# Altium PCB [01]-Robot.PcbDoc (part 1 of 2)
Units mm, origin at the board's own origin, x right, y up, seen from the top; angles counter-clockwise.
Board outline 107 x 100 mm, 2 copper layers (Top Layer, Bottom Layer), stack 1.57 mm thick; 156 components, 123 nets, 574 pads, 292 vias.
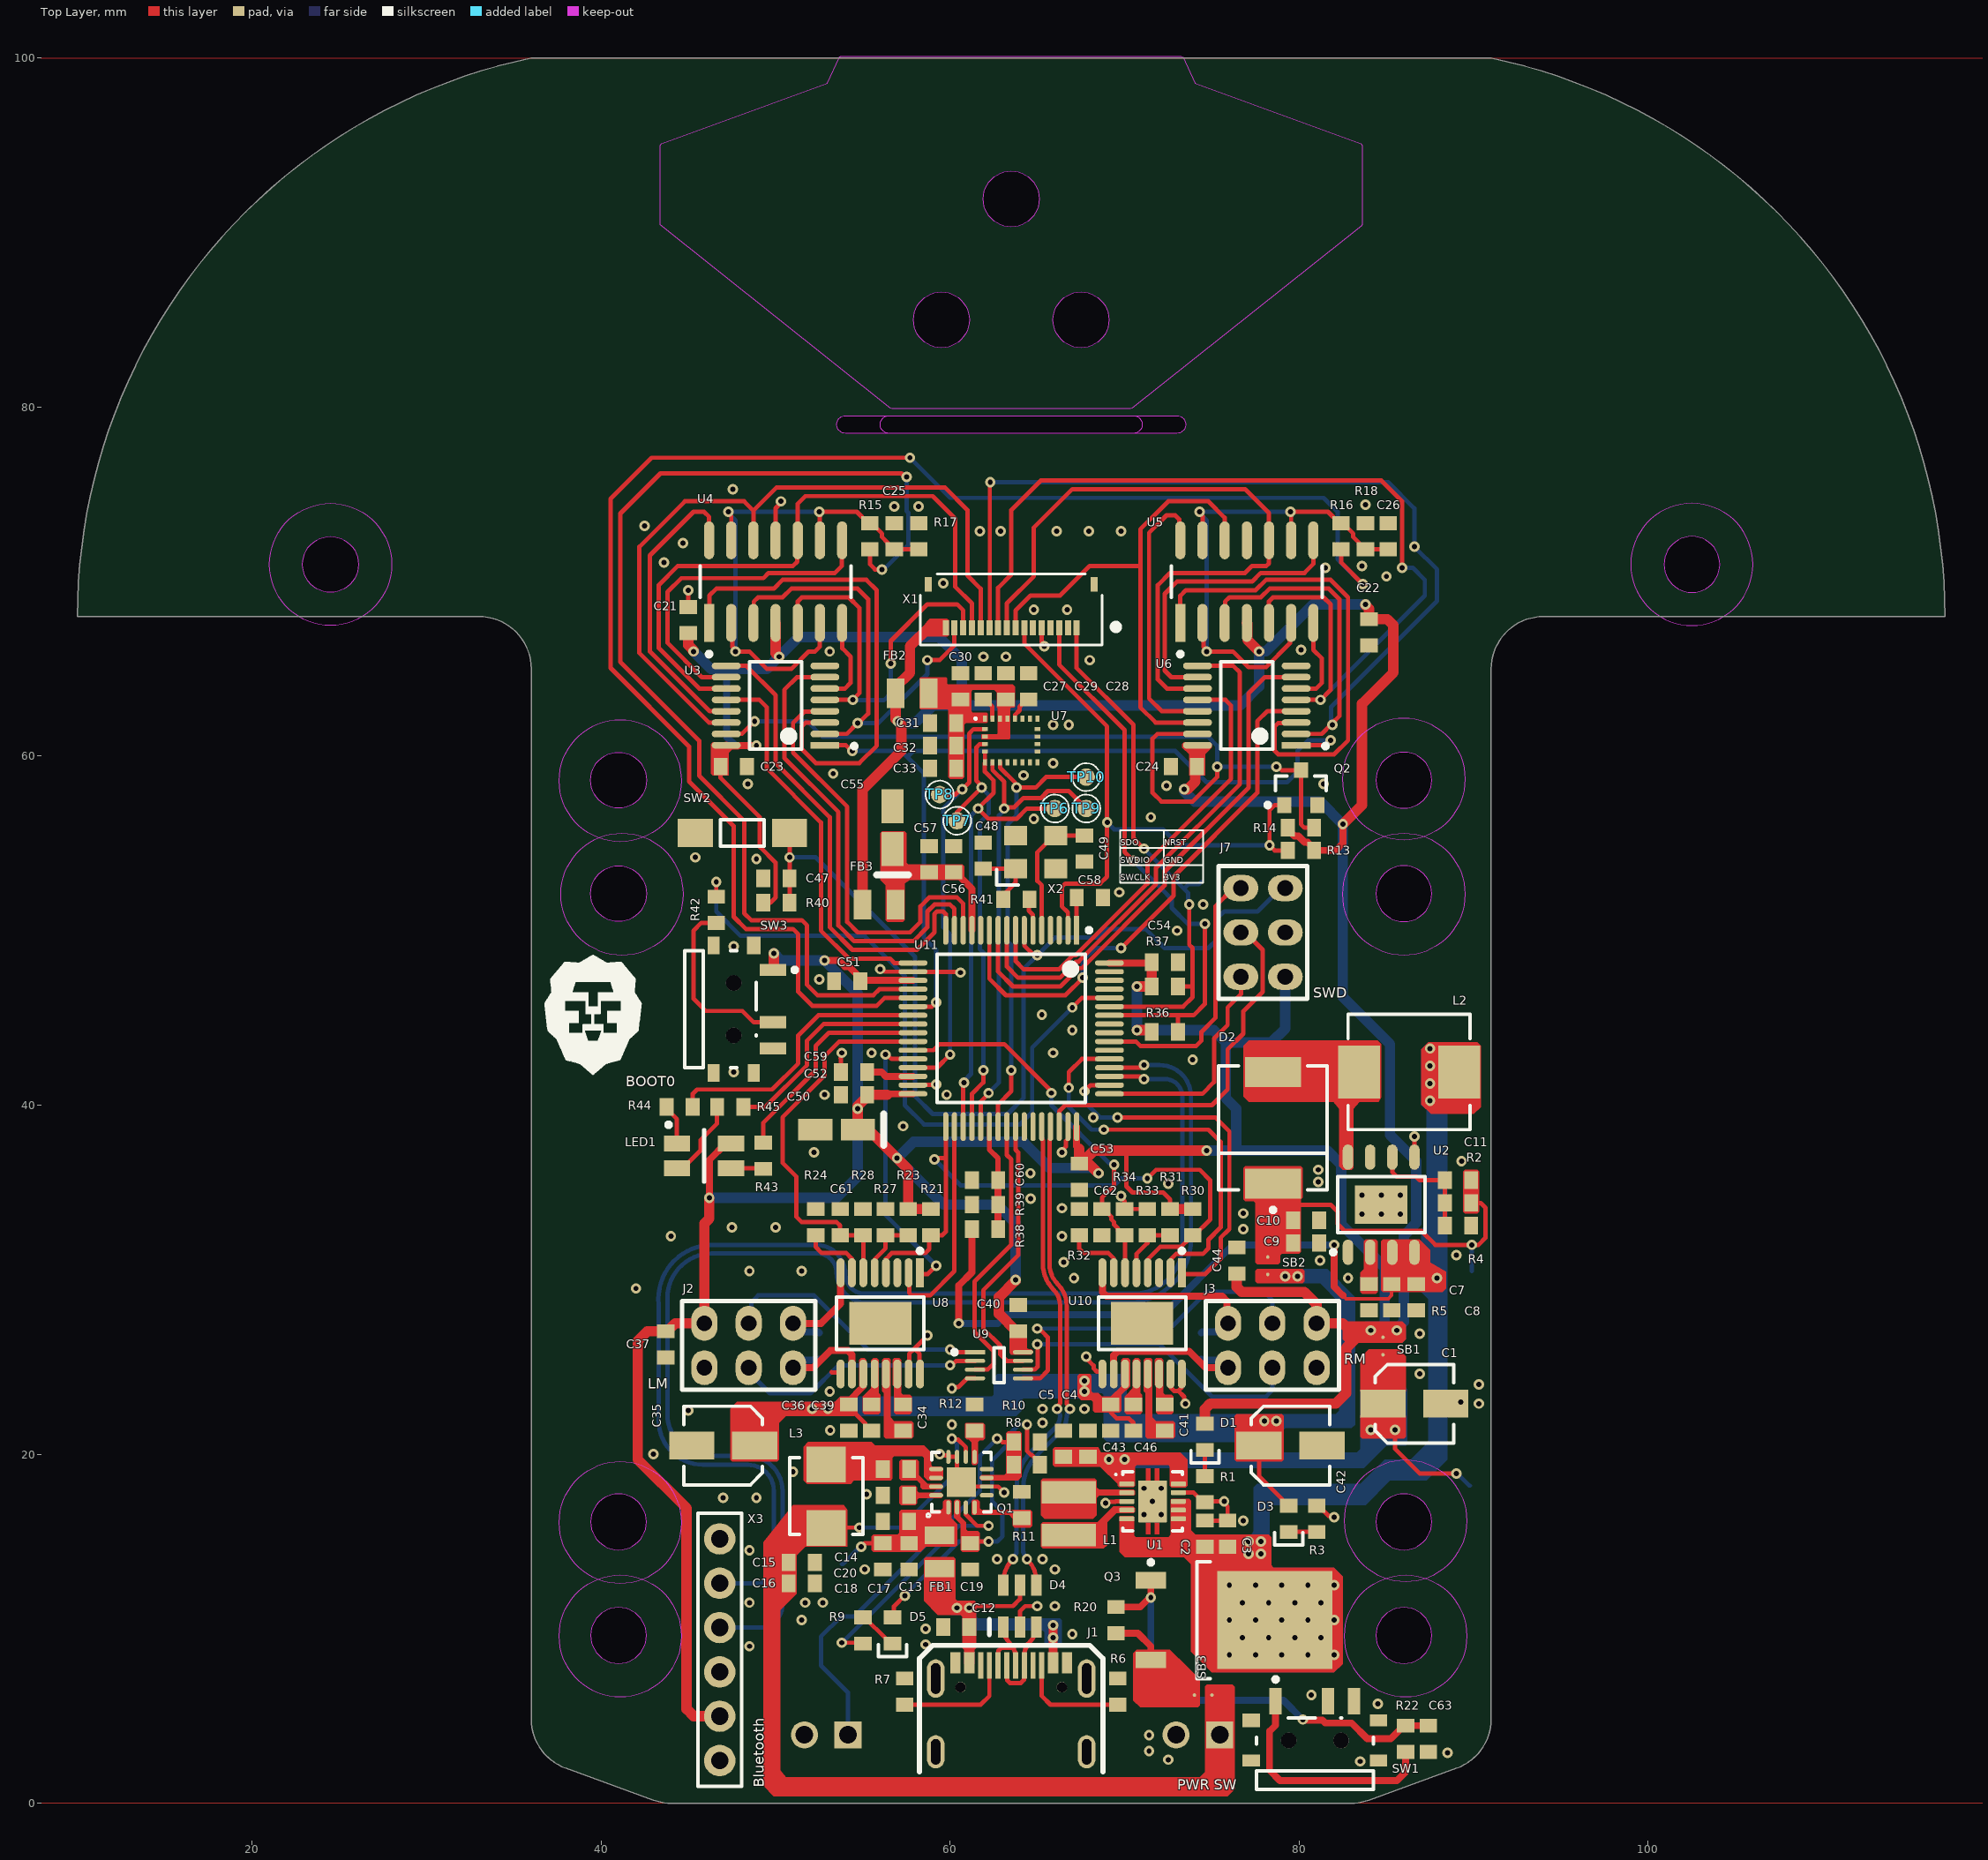
[diagram p0: Top Layer view]
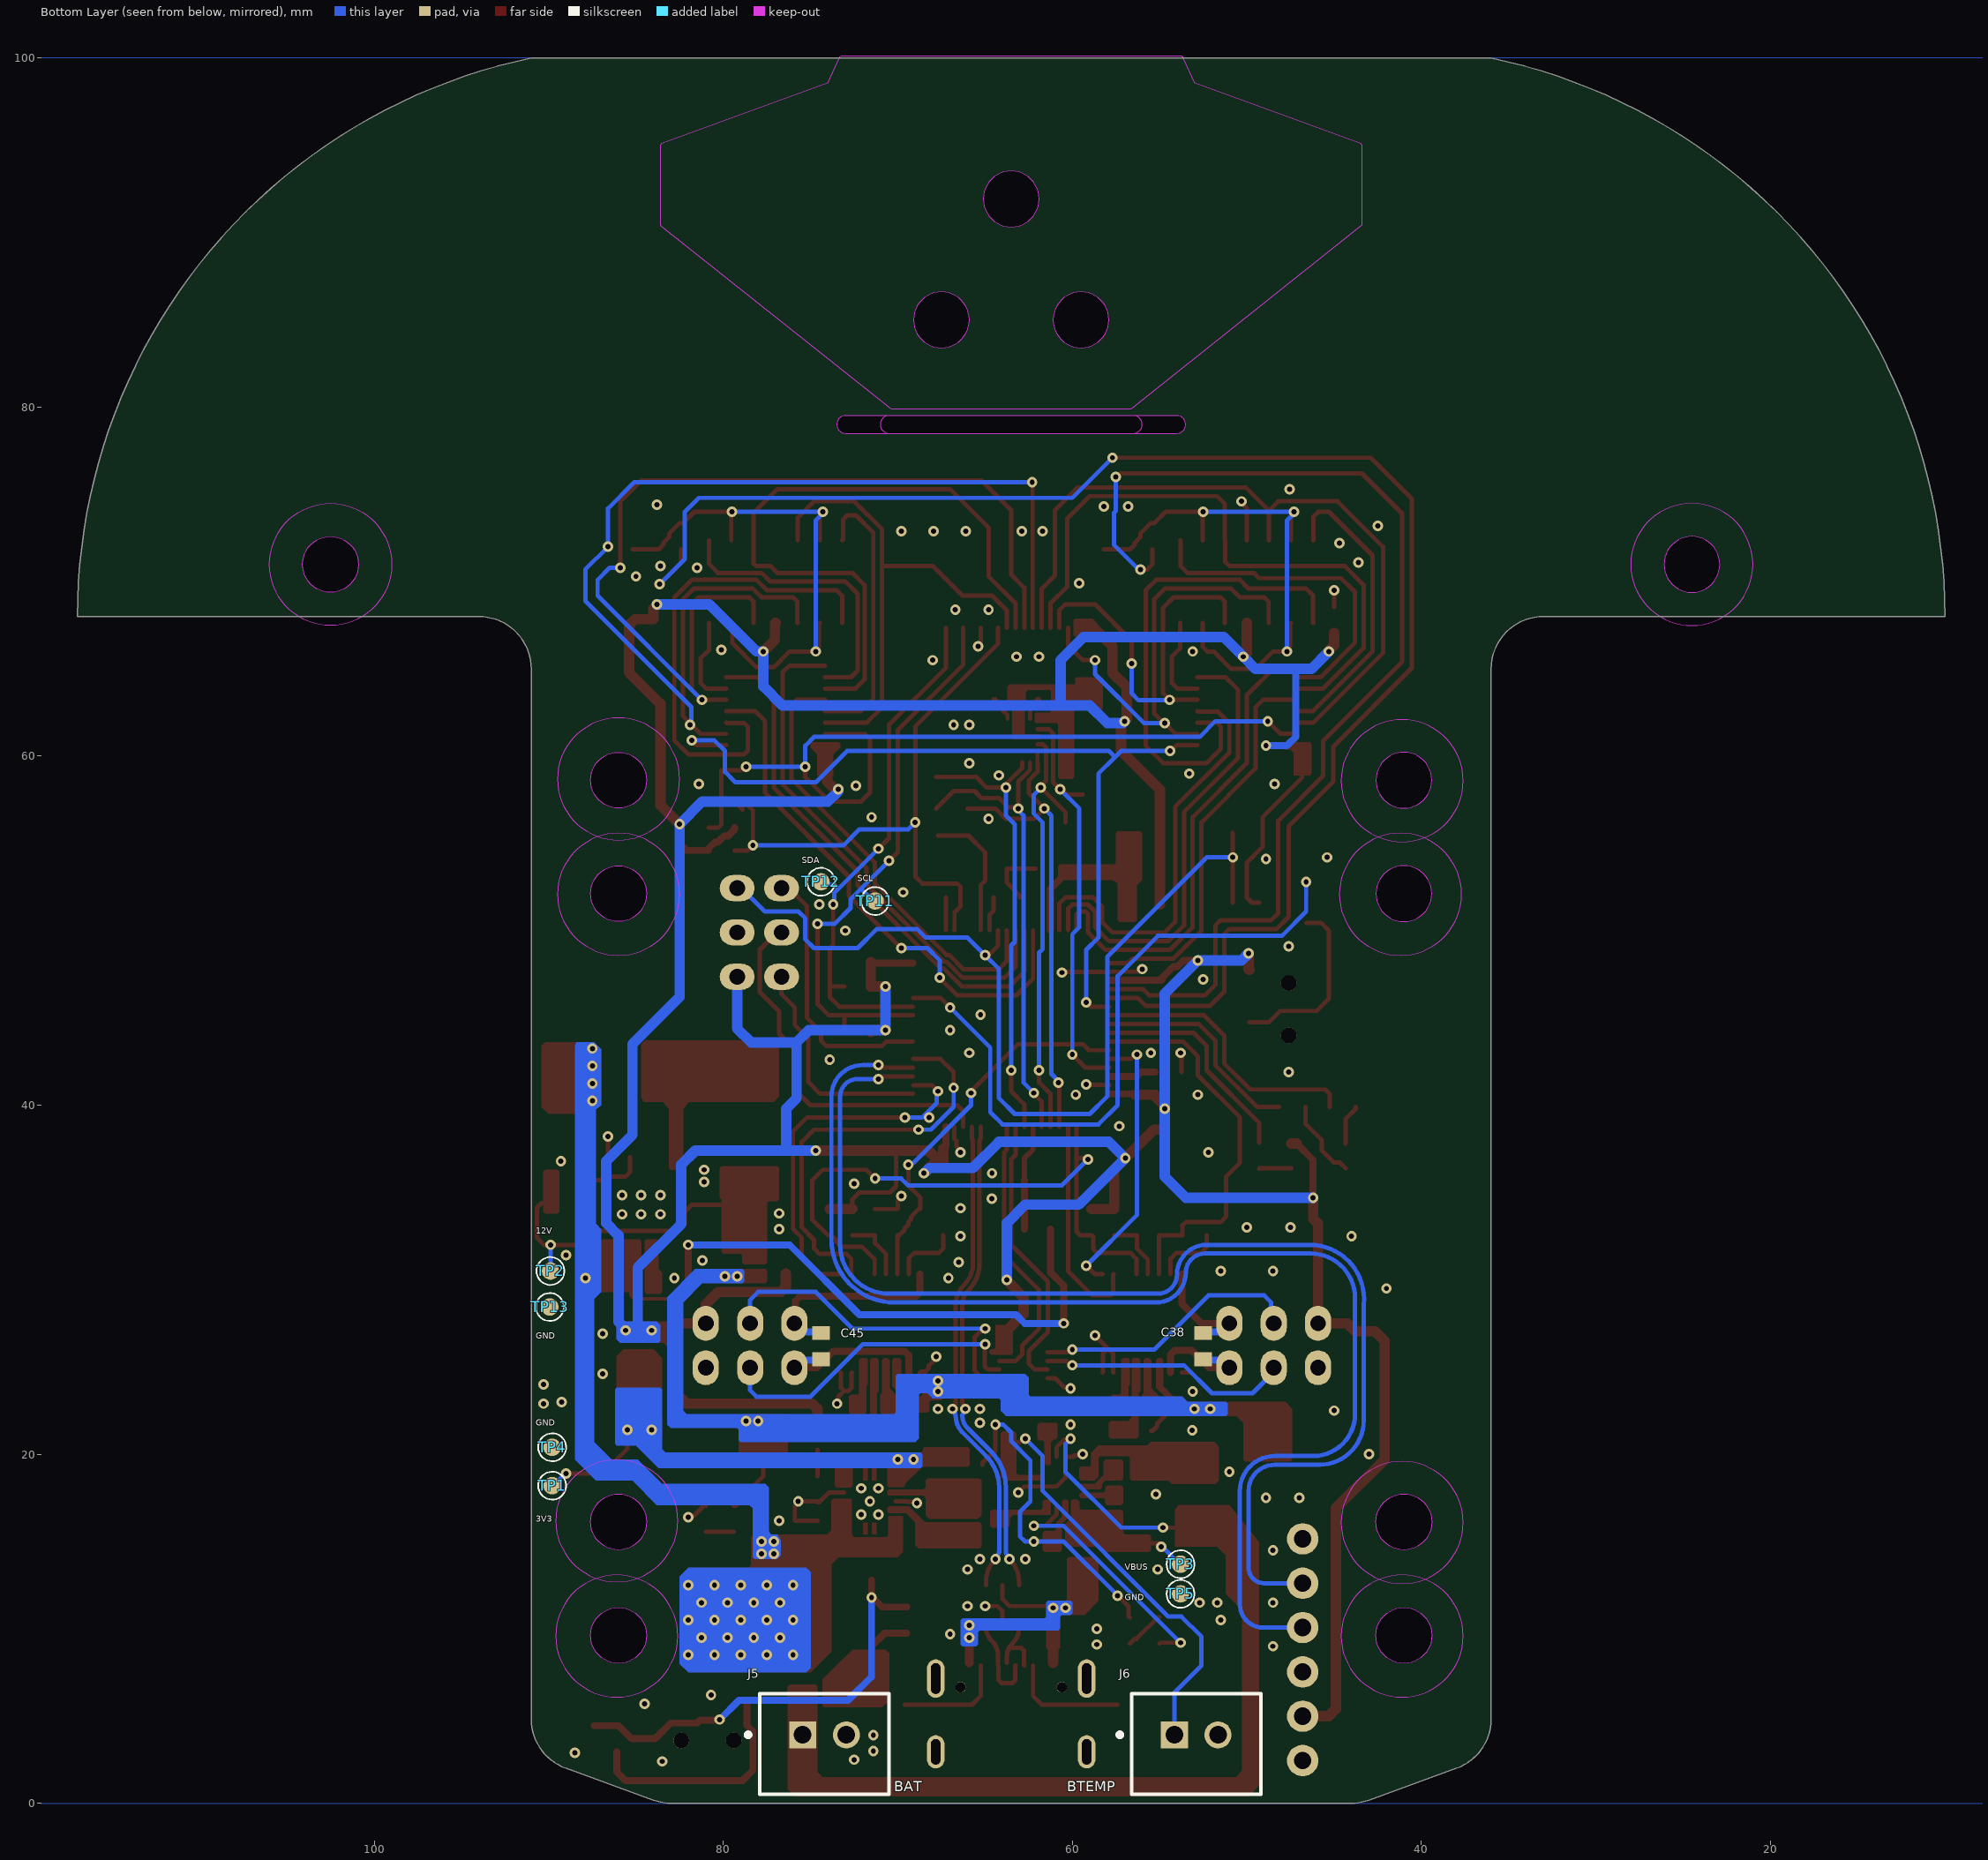
[diagram p1: Bottom Layer view, seen from below]
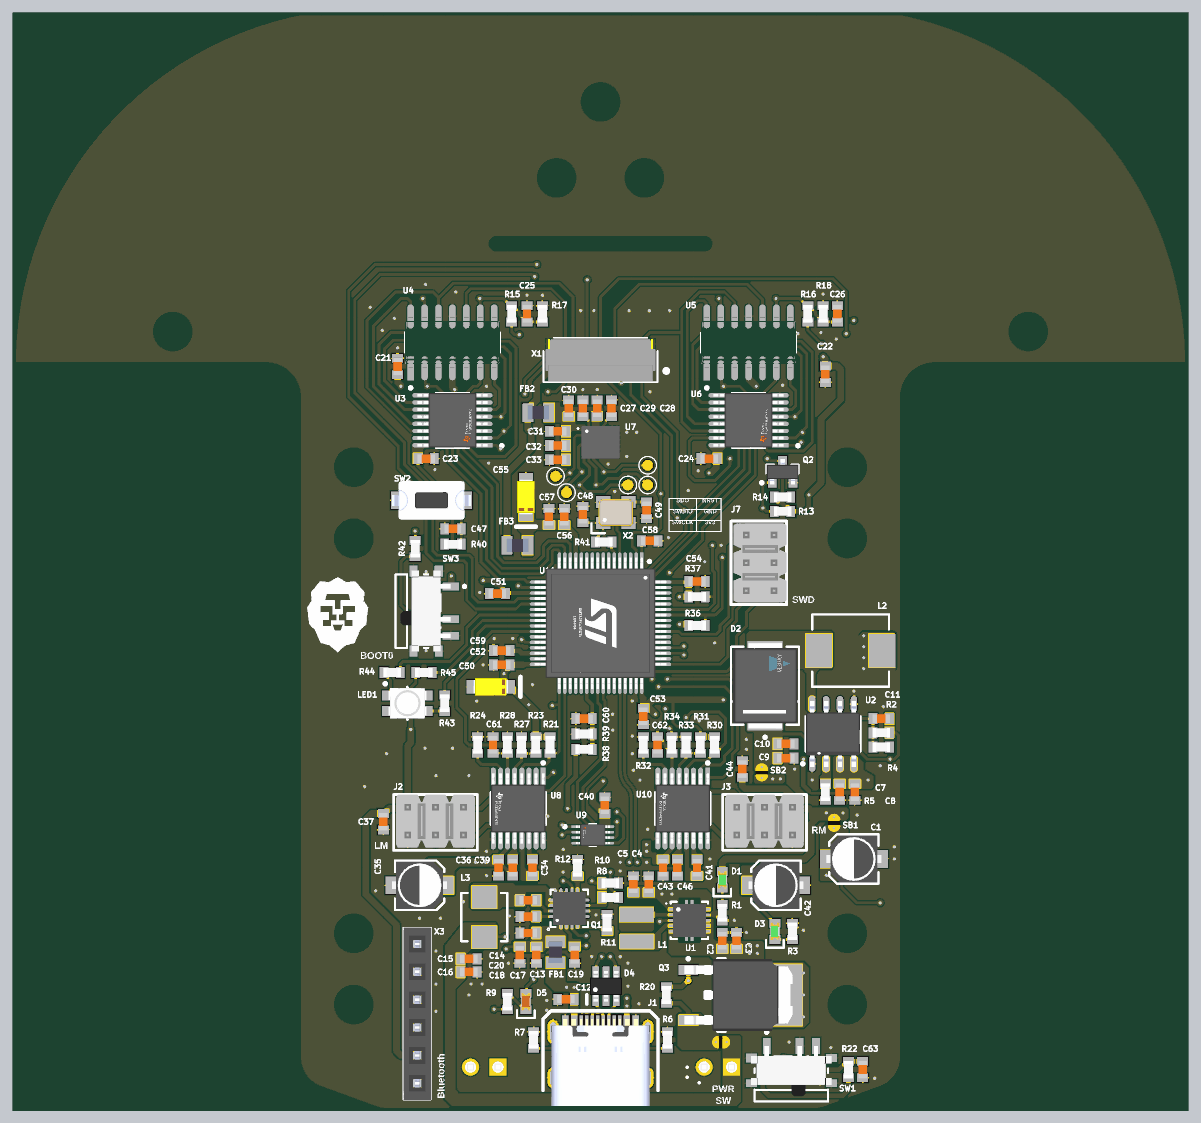
[diagram p3: 3D render of the assembled board from above, using the file's embedded part models]
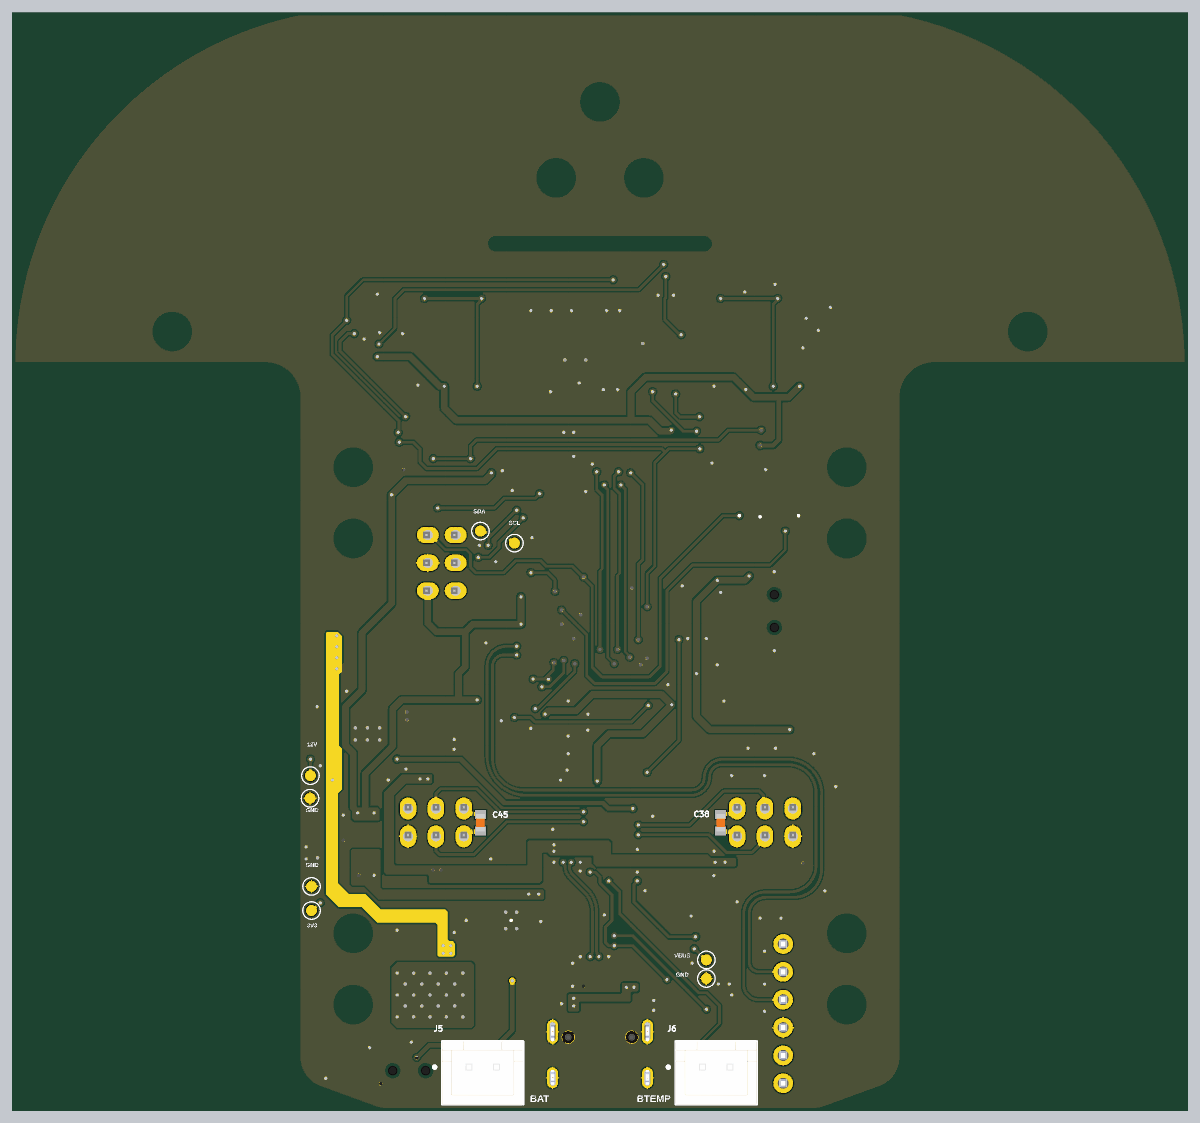
[diagram p4: 3D render of the assembled board from below, using the file's embedded part models]

## Layer stack, top to bottom
Top Solder: solder mask 0.0127, Solder Resist, Dk 3.8
Top Layer: signal copper 0.035
Dielectric: core 1.5, FR-4, Dk 4.5
Bottom Layer: signal copper 0.035
Bottom Solder: solder mask 0.0127, Solder Resist, Dk 3.8

## Board outline
36,4.83 ccw(c39,4.83) 37.974,2.011 43.003,0.181 ccw(c44.029,3) 44.029,0 82.971,0 ccw(c82.971,3) 83.997,0.181 89.026,2.011 ccw(c88,4.83) 91,4.83 91,65 cw(c94,65) 94,68 117,68 ccw(c84.308,68) 91,100 36,100 ccw(c42.692,68) 10,68 33,68 cw(c33,65) 36,65
cut-out: 54,78.5 cw(c54,79) 54,79.5 73,79.5 cw(c73,79) 73,78.5
cut-out: 56.5,78.5 cw(c56.5,79) 56.5,79.5 70.5,79.5 cw(c70.5,79) 70.5,78.5
cut-out: 39.4,9.622 ccw(c41,9.622) 41,8.022 ccw(c41,9.622) 42.6,9.622 ccw(c41,9.622) 41,11.222 ccw(c41,9.622)
cut-out: 39.4,16.122 ccw(c41,16.122) 41,14.522 ccw(c41,16.122) 42.6,16.122 ccw(c41,16.122) 41,17.722 ccw(c41,16.122)
cut-out: 84.4,9.622 ccw(c86,9.622) 86,8.022 ccw(c86,9.622) 87.6,9.622 ccw(c86,9.622) 86,11.222 ccw(c86,9.622)
cut-out: 84.4,16.122 ccw(c86,16.122) 86,14.522 ccw(c86,16.122) 87.6,16.122 ccw(c86,16.122) 86,17.722 ccw(c86,16.122)
cut-out: 84.4,52.122 ccw(c86,52.122) 86,50.522 ccw(c86,52.122) 87.6,52.122 ccw(c86,52.122) 86,53.722 ccw(c86,52.122)
cut-out: 84.4,58.622 ccw(c86,58.622) 86,57.022 ccw(c86,58.622) 87.6,58.622 ccw(c86,58.622) 86,60.222 ccw(c86,58.622)
cut-out: 100.9,70.988 ccw(c102.5,70.988) 102.5,69.388 ccw(c102.5,70.988) 104.1,70.988 ccw(c102.5,70.988) 102.5,72.588 ccw(c102.5,70.988)
cut-out: 59.5,83.4 cw(c59.5,85) 57.9,85 cw(c59.5,85) 59.5,86.6 cw(c59.5,85) 61.1,85 cw(c59.5,85)
cut-out: 41,50.522 cw(c41,52.122) 39.4,52.122 cw(c41,52.122) 41,53.722 cw(c41,52.122) 42.6,52.122 cw(c41,52.122)
cut-out: 41,57.022 cw(c41,58.622) 39.4,58.622 cw(c41,58.622) 41,60.222 cw(c41,58.622) 42.6,58.622 cw(c41,58.622)
cut-out: 24.5,69.388 cw(c24.5,70.988) 22.9,70.988 cw(c24.5,70.988) 24.5,72.588 cw(c24.5,70.988) 26.1,70.988 cw(c24.5,70.988)
cut-out: 67.5,83.4 cw(c67.5,85) 65.9,85 cw(c67.5,85) 67.5,86.6 cw(c67.5,85) 69.1,85 cw(c67.5,85)
cut-out: 63.5,90.328 cw(c63.5,91.928) 61.9,91.928 cw(c63.5,91.928) 63.5,93.528 cw(c63.5,91.928) 65.1,91.928 cw(c63.5,91.928)

## Design rules (kind name [scope] priority, off if disabled: settings)
BoardOutlineClearance [All] p1: gap=0.2 ignorepadtopadclearanceinfootprint=FALSE
Clearance PWR [InNetClass('PWR') vs InNet('GND')] p1: gap=0.15 ignorepadtopadclearanceinfootprint=TRUE
Clearance [All] p2: gap=0.127 ignorepadtopadclearanceinfootprint=FALSE except(0.25: Arc-Hole Track-Hole SMDPad-Hole THPad-Hole Via-Hole Fill-Hole Poly-Hole Region-Hole Text-Hole)
ComponentClearance [InComponent('No Component') vs InComponent('No Component')] p1: gap=0.127 collisioncheckmode=3 verticalgap=0.127 showdistances=TRUE
DiffPairsRouting USB_PORT [InDifferentialPair('USB_PORT_D')] p1: maxlimit=0.127 minlimit=0.127 mostfreqgap=0.127 toplayer_minwidth=0.254 toplayer_maxwidth=0.254 toplayer_prefwidth=0.254 bottomlayer_minwidth=0.254 bottomlayer_maxwidth=0.254 bottomlayer_prefwidth=0.254 impedanceprofiledriven=TRUE impedanceprofileid={5D0D6658-B268-4BAA-8050-458CAA3215DC} impedanceprofilevalue=90.000000 maxuncoupledlength=12.7
DiffPairsRouting USB_D [InDifferentialPair('USB_D')] p2: maxlimit=0.127 minlimit=0.127 mostfreqgap=0.127 toplayer_minwidth=0.254 toplayer_maxwidth=0.254 toplayer_prefwidth=0.254 bottomlayer_minwidth=0.254 bottomlayer_maxwidth=0.254 bottomlayer_prefwidth=0.254 impedanceprofiledriven=TRUE impedanceprofileid={5D0D6658-B268-4BAA-8050-458CAA3215DC} impedanceprofilevalue=90.000000 maxuncoupledlength=12.7
Height [All] p1: minheight=0 maxheight=1816.048 prefheight=12.7
HoleSize [All] p1: absolutevalues=TRUE maxlimit=6.3 minlimit=0.3 maxpercent=80.000 minpercent=20.000
HoleToHoleClearance [All] p1: gap=0.25 allowstackedmicrovias=FALSE
MinimumAnnularRing [All] p1: minimumring=0.076
MinimumSolderMaskSliver [All] p1: minsoldermaskwidth=0
PlaneClearance [All] p1: clearance=0.127
PlaneConnect PlaneConnectPowerPads [InPadClass('PowerPads')] p1: planeconnectstyle=Direct reliefexpansion=0.508 reliefentries=4 reliefconductorwidth=0.254 reliefairgap=0.254
PlaneConnect [All] p2: pad.planeconnectstyle=Relief pad.reliefexpansion=0.3 pad.reliefentries=4 pad.reliefconductorwidth=0.127 pad.reliefairgap=0.127 via.planeconnectstyle=Direct via.reliefexpansion=0.3 via.reliefentries=4 via.reliefconductorwidth=0.127 via.reliefairgap=0.127
PolygonConnect PolygonConnectPowerPads [All vs (InPadClass('PowerPads'))] p1: connectstyle=Direct reliefconductorwidth=0.254 reliefentries=4 polygonreliefangle="90 Angle" airgapwidth=0.254
PolygonConnect [All] p2: thpad.connectstyle=Relief thpad.reliefconductorwidth=0.127 thpad.reliefentries=4 thpad.polygonreliefangle="90 Angle" thpad.airgapwidth=0.127 smdpad.connectstyle=Relief smdpad.reliefconductorwidth=0.127 smdpad.reliefentries=4 smdpad.polygonreliefangle="90 Angle" smdpad.airgapwidth=0.127 via.connectstyle=Direct via.reliefconductorwidth=0.127 via.reliefentries=4 via.polygonreliefangle="90 Angle" via.airgapwidth=0.127
RoutingVias [All] p1: holewidth=0.3 width=0.6 viastyle="Through Hole" minholewidth=0.3 minwidth=0.6 maxholewidth=0.6 maxwidth=6.6
SilkToSilkClearance [All] p1: silktosilkclearance=0
SilkToSolderMaskClearance [IsPad] p1: minsilkscreentomaskgap=0.127 clearancetoexposedcopper=TRUE
SolderMaskExpansion [All] p1: expansion=0.075 istentingtop=FALSE
Width [All] p1: maxlimit=25.4 minlimit=0.127 preferedwidth=0.127 minimp=50.000000 maximp=50.000000 favimp=50.000000
20 further rules are at their usual default settings.

## Classes and differential pairs
component class "FFC Connector": X1
net class PWR: 3V3 +12 +BAT_RAW +VBUS +VUSB BAT BAT_FB
differential pair class USB: USB_D
differential pair class USB_PORT: USB_PORT_D
net class USB: USB_D_N USB_D_P USB_PORT_D_N USB_PORT_D_P
component class "U_Motor Drivers": C34 C35 C36 C37 C38 C39 C40 C41 C42 C43 C44 C45 C46 C61 C62 J2 J3 R21 R23 R24 R27 R28 R30 R31 R32 R33 R34 U8 U9 U10
component class U_Microcontroller: C47 C48 C49 C50 C51 C52 C53 C54 C55 C56 C57 C58 C59 C60 FB3 J7 LED1 R36 R37 R38 R39 R40 R41 R42 R43 R44 R45 SW2 SW3 TP11 TP12 U11 X2 X3
component class U_IMU: C27 C28 C29 C30 C31 C32 C33 FB2 TP6 TP7 TP8 TP9 TP10 U7
component class U_DC-DC: C1 C2 C3 C4 C5 C7 C8 C9 C10 C11 D1 D2 D3 L1 L2 R1 R2 R3 R4 R5 SB1 SB2 TP2 U1 U2
component class "USB Port and BMS": C12 C13 C14 C15 C16 C17 C18 C19 C20 C63 D4 D5 FB1 J1 J5 J6 L3 Q1 R6 R7 R8 R9 R10 R11 R12 R20 R22 SB3 SW1 TP3 TP4 TP5 TP13
component class "U_Analog Switch": C21 C22 C23 C24 C25 C26 Q2 R13 R14 R15 R16 R17 R18 U3 U4 U5 U6
differential pair USB_PORT_D: +USB_PORT_D_P -USB_PORT_D_N
differential pair USB_D: +USB_D_P -USB_D_N

## Components (designator, comment, footprint, x,y, rotation, side; value= is the part's Value field where it differs from the comment)
C1 "10uF" "CAP SMD 4X5.8" 86.6,22.9 r0 top
C2 "10u" CAP_0603 74.6,15.45 r270 top
C3 "100n" CAP_0603 75.9,15.45 r270 top
C4 "100n" CAP_0603 67.9,20.6 r270 top
C5 "10u" CAP_0603 66.5,20.6 r270 top
C7 "22u" CAP_0603 85.3,29 r90 top
C8 "22u" CAP_0603 86.7,29 r90 top
C9 "22u" CAP_0603 80.4,32.1 r180 top
C10 "22u" CAP_0603 80.4,33.4 r180 top
C11 "22p" CAP_0603 89.1,35.7 r0 top
C12 "100n" CAP_0603 60.35,10.1 r0 top
C13 "100n" CAP_0603 57.65,14.15 r90 top
C14 "47u" CAP_0603 56.9,19.15 r0 top
C15 "10u" CAP_0603 51.5,13.8 r180 top
C16 "10u" CAP_0603 51.5,12.6 r180 top
C17 "10u" CAP_0603 56.15,14.15 r90 top
C18 "2.2u" CAP_0603 56.9,16.15 r0 top
C19 "2.2u" CAP_0603 61.15,14.15 r90 top
C20 "10u" CAP_0603 56.9,17.65 r0 top
C21 "100n" CAP_0603 45,67.8 r270 top
C22 "100n" CAP_0603 84,67.1 r90 top
C23 "100n" CAP_0603 47.6,59.4 r180 top
C24 "100n" CAP_0603 73.4,59.4 r0 top
C25 "100n" CAP_0603 56.8,72.6 r270 top
C26 "100n" CAP_0603 85.1,72.6 r270 top
C27 "100n" CAP_0603 61.9,64 r270 top
C28 "10n" CAP_0603 64.5,64 r270 top
C29 "100n" CAP_0603 63.2,64 r270 top
C30 "10u" CAP_0603 60.6,64 r270 top
C31 "10u" CAP_0603 59.6,61.9 r0 top
C32 "1u" CAP_0603 59.6,60.6 r0 top
C33 "100n" CAP_0603 59.6,59.3 r0 top
C34 "22n" CAP_0603 57.3,22.1 r270 top
C35 "10uF" "CAP SMD 4X5.8" 47,20.5 r180 top
C36 "100n" CAP_0603 54.2,22.1 r90 top
C37 "100n" CAP_0603 43.7,26.3 r90 top
C38 "100n" CAP_0603 52.5,26.2 r90 bottom
C39 "100n" CAP_0603 55.5,22.1 r270 top
C40 "100n" CAP_0603 63.9,27.8 r270 top
C41 "22n" CAP_0603 72.3,22.1 r270 top
C42 "10uF" "CAP SMD 4X5.8" 79.5,20.5 r0 top
C43 "100n" CAP_0603 69.2,22.1 r90 top
C44 "100n" CAP_0603 76.425,31.1 r270 top
C45 "100n" CAP_0603 74.4,26.2 r90 bottom
C46 "100n" CAP_0603 70.5,22.1 r270 top
C47 "100n" CAP_0603 50.05,53 r0 top
C48 "22p" CAP_0603 61.9,54.3 r270 top
C49 "22p" CAP_0603 67.7,54.7 r90 top
C50 "10uF" CAP-TANT-3216 53.5,38.6 r180 top
C51 "100n" CAP_0603 54.1,47.1 r0 top
C52 "100n" CAP_0603 54.5,40.6 r0 top
C53 "100n" CAP_0603 67.4,35.9 r90 top
C54 "100n" CAP_0603 72.3,48.2 r180 top
C55 "10uF" CAP-TANT-3216 56.7,55.9 r90 top
C56 "1u" CAP_0603 60.2,54.1 r270 top
C57 "100n" CAP_0603 58.8,54.1 r270 top
C58 "100n" CAP_0603 68,51.9 r180 top
C59 "2.2u" CAP_0603 54.5,41.9 r0 top
C60 "100n" CAP_0603 62,35.7 r0 top
C61 "100n" CAP_0603 53.7,33.3 r270 top
C62 "100n" CAP_0603 68.7,33.3 r90 top
C63 "100n" CAP_0603 87.4,3.7 r90 top
D1 "GREEN" LED_0603_GREEN 74.6,21 r90 top
D2 "SSC54-E3/57T" FP-95402-MFG 78.5,38.7 r90 top
D3 "GREEN" LED_0603_GREEN 79.4,16.3 r90 top
D4 "USBLC6-2SC6" SOT-23-6 64,11.3 r0 top
D5 "RED" LED_0603_RED 56.7,9.9 r90 top
FB1 "FB0805" FB_0805 59.4,14.4 r90 top
FB2 "FB0805" FB_0805 57.825,63.6 r0 top
FB3 "FB0805" FB_0805 55.925,51.5 r0 top
J1 "TYPE-C-31-M-12" TYPE-C-31-M-12 63.5,5.05 r0 top
J2 "3X2 BergStrip" CON6_100_59D78_TH_ST_DUPLICATE 51,27.5 r180 top
J3 "3X2 BergStrip" CON6_100_59D78_TH_ST_DUPLICATE 81,27.5 r180 top
J5 "B2B-XH-A(LF)(SN)" FP-B2B-XH-A_LF_SN-MFG 74.2,3.4 r180 bottom
J6 "B2B-XH-A(LF)(SN)" FP-B2B-XH-A_LF_SN-MFG 52.9,3.4 r180 bottom
J7 "3X2 BergStrip" CON6_100_59D78_TH_ST_DUPLICATE 79.2,47.36 r90 top
L1 "VLS3012ET-2R2M" INDP3030X12N 66.8,16.6 r90 top
L2 "4.7uH" MWSA0603S 86.3,41.9 r180 top
L3 "MWSA0402S" MWSA0402S 52.9,17.6 r270 top value=1uH
LED1 "150141M173100" 3528_A 45.9,37.1 r0 top
Q1 "BQ25303JRTER" WQFN50P300X300X80_HS-17N 60.65,18.4 r90 top
Q2 "2N7002LT1G" SOT-23 80.1,58.2 r90 top
Q3 "AOD4185" INF-PG-TO252-3-11_N 76.25,10.5 r0 top
R1 "1K" RES_0603 74.6,18 r90 top
R2 "190K 1%" RES_0603 89.1,34.4 r0 top
R3 "1K" RES_0603 81,16.3 r270 top
R4 "10K 1%" RES_0603 89.1,33.1 r180 top
R5 "27K" RES_0603 84,29 r90 top
R6 "5.1K" RES_0603 69.6,6.4 r270 top
R7 "5.1K" RES_0603 57.4,6.4 r270 top
R8 "4.32K" RES_0603 64.4,19.4 r0 top
R9 "1K" RES_0603 55,9.9 r90 top